# Altium PCB SUDA_V3S.PcbDoc (part 2 of 2)
Units mil, origin at the board's own origin, x right, y up, seen from the top; angles counter-clockwise.
Board outline 3937 x 1968.5 mil, 4 copper layers (TOP, GND02, PWR03, BOT), stack 61.4 mil thick; 147 components, 116 nets, 560 pads, 161 vias.
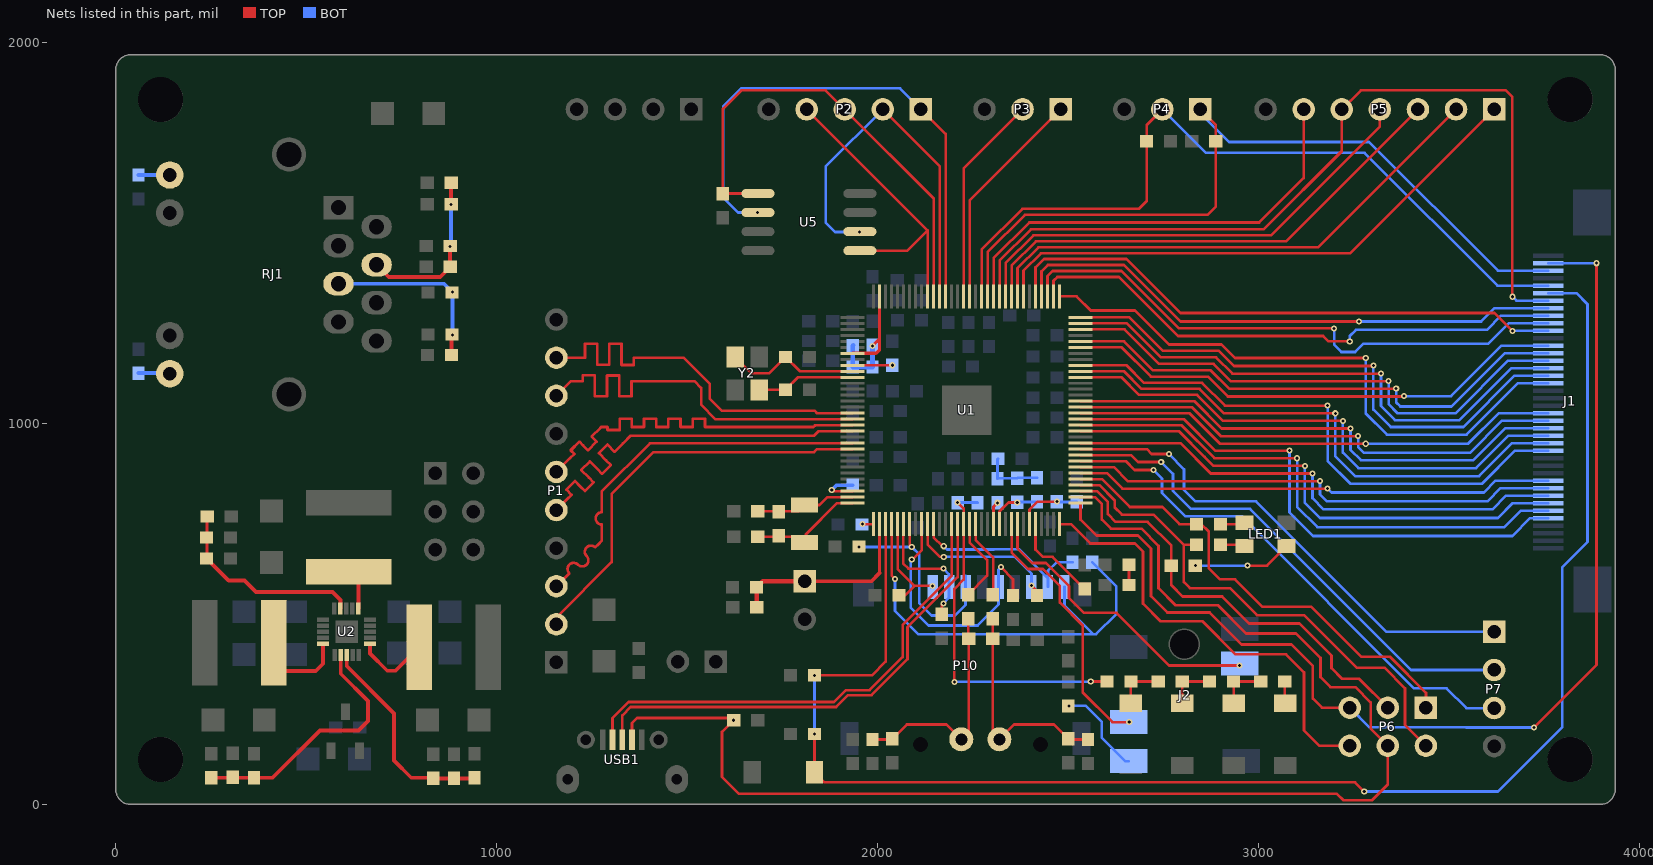
[diagram p4: the nets of this part, all layers, seen from the top]

## Via types
v1: diameter 16, hole 8, TOP to BOT, 161 vias

## Nets (pads, with @x,y where several pads share a name; then routed paths per layer and width w, separated by ;. In a path a pad name is that pad's centre, name@x,y a point inside that pad or via, vN(x,y) a via of type N, cw(c..) or ccw(c..) an arc to the next point about the centre after c; other vN are vias at no path point) (continued)
HP_COMFB: R44.2 U1.124 | length 238.6
  TOP w7: U1.124@2415.1,735.79 2415.1,668.9 2434,650 2459.5,650 R44.2@2544,565.5
HP_L: J2.2 U1.121 | length 792.2
  TOP w7: U1.121@2367.86,735.79 2367.86,672.14 2406,634 2442,634 2503,573 2503,542 2542,503 2628,503 2766,365 v1(2951,365)
HP_R: J2.3 U1.120 | length 696.4
  TOP w7: U1.120@2352.11,735.79 2352.11,660.89 2395,618 2434,618 2479,573 2479,530 2539,470 2539,294 2617,216 v1(2661,216)
I2C0_SCL: J1.38 P4.1 R11.1 U1.45 | length 2132.1
  TOP w7: U1.45@2289.12,1334.21 2289.12,1450.12 2387,1548 2867,1548 2888,1569 2888,1785 P4.1@2848,1825
  BOT w7: P4.1@2848.5,1824.5 P4.1@2848,1825 2848,1814.28 2923,1739.28 3290.72,1739.28 3628.65,1401.35 J1.38@3761,1401.35
I2C0_SDA: J1.36 P4.2 R10.1 U1.46 | length 2073.3
  TOP w7: U1.46@2273.37,1334.21 2273.37,1456.64 2380.48,1563.75 2686,1563.75 2707,1584.75 2707,1784 P4.2@2748,1825 P4.2@2749,1824
  BOT w7: P4.2@2747.5,1824.5 P4.2@2748,1825 2862,1711 3279,1711 3628.03,1361.97 J1.36@3761,1361.97
LCD_CLK: J1.30 U1.37 | length 1513.7
  TOP w7: U1.37@2415.1,1334.21 2415.1,1410.1 2437.25,1432.25 2653.57,1432.25 2795.41,1290.41 3619.59,1290.41 v1(3667,1243) v1@3671,1243
  BOT w7: v1(3667,1243) 3667.83,1243.83 J1.30@3761,1243.83
LCD_D2: J1.23 U1.33 | length 1575.2
  TOP w7: U1.33@2478.09,1334.21 2522.79,1334.21 2560,1297 2676,1297 2765.25,1207.75 2903.1,1207.75 2938.85,1172 v1(3282,1172)
  BOT w7: v1@3282,1173 v1(3282,1172) 3282,1027 3338,971 3546.42,971 3681.42,1106 J1.23@3761,1106
LCD_D3: J1.24 U1.32 | length 1472.1
  TOP w7: U1.32@2533.21,1279.09 2661.44,1279.09 2749.73,1190.8 2896.08,1190.8 2935.88,1151 3301,1151 v1(3302,1152)
  BOT w7: v1@3302,1153 v1(3302,1152) 3302,1037 3348,991 3538.14,991 3672.83,1125.69 J1.24@3761,1125.69
LCD_D4: J1.25 U1.31 | length 1441.8
  TOP w7: U1.31@2533.21,1263.35 2654.92,1263.35 2744.42,1173.85 2889.06,1173.85 2931.91,1131 3321,1131 v1(3322,1132)
  BOT w7: v1@3322,1133 v1(3322,1132) 3322,1046 3359,1009 3527.85,1009 3664.23,1145.38 J1.25@3761,1145.38
LCD_D5: J1.26 U1.30 | length 1413.9
  TOP w7: U1.30@2533.21,1247.6 2648.4,1247.6 2739.1,1156.9 2882.04,1156.9 2927.94,1111 3341,1111 v1(3342,1112)
  BOT w7: v1@3342,1113 v1(3342,1112) 3342,1051 3366,1027 3517.57,1027 3655.64,1165.07 J1.26@3761,1165.07
LCD_D6: J1.27 U1.28 | length 1379.5
  TOP w7: U1.28@2533.21,1216.1 2647.17,1216.1 2723.32,1139.95 2875.02,1139.95 2923.97,1091 3361,1091 v1(3362,1092)
  BOT w7: v1@3362,1093 v1(3362,1092) 3362,1056 3373,1045 3507.28,1045 3647.04,1184.76 J1.27@3761,1184.76
LCD_D7: J1.28 U1.27 | length 1337.6
  TOP w7: U1.27@2533.21,1200.35 2640.65,1200.35 2718,1123 2868,1123 2920,1071 3381,1071 v1(3382,1072)
  BOT w7: v1@3382,1073 v1(3382,1072) 3506,1072 3638.45,1204.45 J1.28@3761,1204.45
LCD_D10: J1.14 U1.24 | length 1477.5
  TOP w7: U1.24@2533.21,1153.11 2653.44,1153.11 2699.55,1107 2851.95,1107 2911.95,1047 v1(3182,1047)
  BOT w7: v1(3182,1047) 3182,902 3242,842 3587.42,842 3674.21,928.79 J1.14@3761,928.79
LCD_D11: J1.15 U1.23 | length 1448.1
  TOP w7: U1.23@2533.21,1137.36 2646.91,1137.36 2693.02,1091.25 2845.43,1091.25 2909.68,1027 v1(3202,1027) v1@3199,1030
  BOT w7: v1(3202,1027) 3202,914 3254,862 3579.14,862 3665.62,948.48 J1.15@3761,948.48
LCD_D12: J1.16 U1.22 | length 1411.9
  TOP w7: U1.22@2533.21,1121.61 2640.39,1121.61 2686.5,1075.5 2838.91,1075.5 2907.41,1007 v1(3222,1007) v1@3221,1008
  BOT w7: v1(3222,1007) 3222,924 3263,883 3571.85,883 3657.02,968.17 J1.16@3761,968.17
LCD_D13: J1.17 U1.18 | length 1359.4
  TOP w7: U1.18@2533.21,1058.62 2831.91,1058.62 2903.53,987 v1(3242,987)
  BOT w7: v1(3242,987) 3242,931 3269,904 3564.57,904 3648.43,987.86 J1.17@3761,987.86
LCD_D14: J1.18 U1.17 | length 1329.5
  TOP w7: U1.17@2533.21,1042.87 2825.39,1042.87 2901.26,967 v1(3262,967)
  BOT w7: v1(3262,967) 3262,938 3277,923 3555.28,923 3639.83,1007.55 J1.18@3761,1007.55
LCD_D15: J1.19 U1.16 | length 1294.2
  TOP w7: U1.16@2533.21,1027.13 2818.87,1027.13 2899,947 v1(3282,947)
  BOT w7: v1(3282,947) 3551,947 3631.24,1027.24 J1.19@3761,1027.24
LCD_D18: J1.5 U1.15 | length 1468.9
  TOP w7: U1.15@2533.21,1011.38 2804.21,1011.38 2886.59,929 v1(3082,929)
  BOT w7: v1(3082,929) 3082,767 3144,705 3667,705 3713.58,751.58 J1.5@3761,751.58
LCD_D19: J1.6 U1.14 | length 1431.6
  TOP w7: U1.14@2533.21,995.63 2797.69,995.63 2797.69,995.58 2884.27,909 v1(3102,909)
  BOT w7: v1(3102,909) 3102,781 3155,728 3646,728 3689.27,771.27 J1.6@3761,771.27
LCD_D20: J1.7 U1.13 | length 1395.2
  TOP w7: U1.13@2533.21,979.88 2791.16,979.88 2858.54,912.5 2858.54,912.4 2881.94,889 v1(3122,889)
  BOT w7: v1(3122,889) 3122,792 3162,752 3629,752 3667.96,790.96 J1.7@3761,790.96
LCD_D21: J1.8 U1.11 | length 1352.5
  TOP w7: U1.11@2533.21,948.39 2795.61,948.39 2875,869 v1(3142,869)
  BOT w7: v1(3142,869) 3142,804 3171,775 3615,775 3650.65,810.65 J1.8@3761,810.65
LCD_D22: J1.9 U1.7 | length 1299.5
  TOP w7: U1.7@2533.21,885.39 2620.61,885.39 2657,849 v1(3162,849)
  BOT w7: v1(3162,849) 3162,814 3180,796 3602,796 3636.34,830.34 J1.9@3761,830.34
LCD_D23: J1.10 U1.6 | length 1261.6
  TOP w7: U1.6@2533.21,869.65 2602.35,869.65 2643,829 v1(3182,829)
  BOT w7: v1(3182,829) 3192,819 3592,819 3623.03,850.03 J1.10@3761,850.03
LCD_DE: J1.33 U1.36 | length 1479.1
  TOP w7: U1.36@2430.85,1334.21 2430.85,1399.85 2447.5,1416.5 2647.05,1416.5 2795.55,1268 v1(3264,1268)
  BOT w7: v1(3264,1268) 3583.9,1268 3584.45,1267.45 3619.9,1302.9 J1.33@3761,1302.9
LCD_HSYNC: J1.31 U1.35 | length 1517.8
  TOP w7: U1.35@2446.6,1334.21 2446.6,1387.6 2459.75,1400.75 2640.52,1400.75 2791.27,1250 v1(3199,1250)
  BOT w7: v1(3199,1250) 3199,1207 3218,1188 3254,1188 3276,1210 3604,1210 3657.52,1263.52 J1.31@3761,1263.52
LCD_VSYNC: J1.32 U1.34 | length 1449.6
  TOP w7: U1.34@2462.35,1334.21 2462.35,1375 2472.35,1385 2634,1385 2789,1230 3170,1230 3184,1216 v1(3240,1216)
  BOT w7: v1(3240,1216) 3240,1230 3256.11,1246.11 3600.11,1246.11 3637.21,1283.21 J1.32@3761,1283.21
LRADC0: C14.1 R12.1 R13.2 U1.112 | length 941.4
  TOP w7: v1(2202,322) 2202,566 2226.13,590.13 U1.112@2226.13,735.79 2226.13,776.87 v1(2210.13,792.87) ; v1(2560,323) R13.2@2602.5,323
  BOT w7: v1(2202,322) 2559,322 v1(2560,323) ; C14.1@2210.5,792.5 v1(2210.13,792.87) 2262.13,792.87 R12.1@2262.5,792.5
MCSI_CLK_N: P1.2 U1.87 | length 1083.6
  TOP w7: P1.2@1157,473 1157,491 1302,636 1302,815 1412,925 1833.36,925 1841,932.64 U1.87@1934.79,932.64
MCSI_CLK_P: P1.3 U1.86 | length 1081.1
  TOP w7: P1.3@1157,573 1191,607 cw(c1202.31,618.31) 1213.63,629.63 ccw(c1224.94,640.94) 1236.25,652.25 cw(c1247.57,663.57) 1258.88,674.88 1268.5,684.5 1276,692 1276,717 1276,735 cw(c1276,751) 1276,767 1276,799 1276,821.53 1402.47,948 1830,948 ; 1831,948.39 U1.86@1934.79,948.39
MCSI_D0_N: P1.8 U1.82 | length 1082.7
  TOP w7: P1.8@1157,1073 1195.5,1111.5 1210,1111.5 1226,1111.5 1226,1127.22 1258,1127.22 1258,1111.5 1258,1071.53 1290,1071.53 1290,1111.5 1290,1126.43 1322,1126.43 1322,1111.5 1322,1071.53 1354,1071.53 1354,1111.5 1372,1111.5 1519.5,1111.5 1537,1094 1537,1050 1575,1011 1825,1011 ; 1824.88,1011.38 U1.82@1934.79,1011.38
MCSI_D0_P: P1.9 U1.81 | length 1083
  TOP w7: P1.9@1157,1173 1216,1173 1232,1173 1232,1209.68 1264,1209.68 1264,1173 1264,1154.52 1296,1154.52 1296,1173 1296,1209.68 1328,1209.68 1328,1173 1328,1153.72 1360,1153.72 1360,1173 1389,1173 1490.53,1173 1560,1103.53 1560,1065 1591,1034 1834.12,1034 1841,1027.12 U1.81@1934.79,1027.13
MCSI_D1_N: P1.5 U1.84 | length 1083
  TOP w7: P1.5@1157,773 1185.5,801.5 1196.81,812.81 1183.16,826.46 1205.79,849.09 1219.44,835.44 1231.96,822.92 1254.59,845.55 1242.07,858.07 1222.05,878.09 1244.67,900.72 1264.7,880.7 1277.22,868.17 1299.85,890.8 1287.32,903.32 1268.43,922.22 1291.06,944.85 1309.95,925.95 1332,948 1352,968 1833.12,968 1845,979.88 U1.84@1934.79,979.88
MCSI_D1_P: P1.6 U1.83 | length 1083
  TOP w7: P1.6@1157,873 1193,909 1204.31,920.31 1194.66,929.97 1217.28,952.6 1226.94,942.94 1240.1,929.78 1262.73,952.41 1249.57,965.57 1272.2,988.2 1275,991 1291,991 1291,983.21 1323,983.21 1323,991 1323,1012.79 1355,1012.79 1355,991 1387,991 1387,1012.79 1419,1012.79 1419,991 1451,991 1451,1012.79 1483,1012.79 1483,991 1515,991 1515,1012.79 1547,1012.79 1547,991 1552,991 1832,991 1836.63,995.63 U1.83@1934.79,995.63
MIC_N: C65.2 U1.114 | length 204.7
  TOP w7: U1.114@2257.62,735.79 2257.62,694.38 2303.75,648.25 2303.75,551.25 C65.2@2303,550.5
MIC_P: C63.2 U1.113 | length 225.1
  TOP w7: C63.2@2238,550.5 2288,600.5 2288,641.73 2241.87,687.86 U1.113@2241.87,735.79
NetC1_1: C1.1 C2.1 U1.123 | length 171
  TOP w7: U1.123@2399.35,735.79 2399.35,774.35 2420,795 v1(2471,795)
  BOT w7: C2.1@2471,794 2522.5,794 C1.1@2523,794.5
NetC3_2: C3.2 U1.97 | length 29.1
  TOP w7: v1(1960.79,735.79) U1.97@1989.91,735.79
NetC5_2: C5.2 C6.2 R2.1 R3.2 | length 158
  BOT w7: R3.2@2316.5,908 2315,906.5 C6.2@2315,855.5 2316,856.5 C5.2@2367,856.5 2368,857.5 R2.1@2419,857.5
NetC15_2: C15.2 L1.1 R22.2 R23.2 RJ1.4 | length 439.1
  TOP w10: RJ1.4@684.91,1417 716.91,1385 852,1385 878,1411 v1(878,1465) ; v1(880,1575) 880,1631.5 L1.1@880.5,1632
  BOT w10: v1(878,1465) 880,1467 v1(880,1575)
NetC16_2: C16.2 R24.2 R25.2 RJ1.5 | length 474.2
  TOP w10: C16.2@881.5,1180 881.5,1229.5 v1(884,1232)
  BOT w10: RJ1.5@584.91,1367 862,1367 v1(884,1345) v1(884,1232)
NetC20_2: C20.2 R26.1 R27.1 U2.14 | length 530.4
  TOP w8: R27.1@238.5,646 240.08,647.57 C20.2@240.08,756
  TOP w10: R27.1@238.5,646 296.5,588 338,588 368,558 569,558 589.84,537.16 U2.14@589.84,513.85
NetC24_2: C24.2 R28.1 R29.1 U2.3 | length 559.7
  TOP w10: U2.3@606.42,392.15 606.42,363.58 731,239 731,115 776.07,69.93 832.57,69.93 R29.1@834,68.5 940.43,68.5 C24.2@942,70.08
NetC28_2: C28.2 R30.1 R31.1 U2.2 | length 675.4
  TOP w10: R30.1@251,69.93 R31.1@363,69.93 411.93,69.93 536,194 637,194 662,219 662,272 590.67,343.33 U2.2@590.67,392.15
NetC62_2: C62.2 C63.1 C64.2 R40.2 U4.2 | length 590.7
  TOP w7: R40.2@1987,170.5 2037.43,170.5 C62.2@2039,172.07 2076.93,210 2181,210 U4.2@2220,171 2239.5,190.5 C64.2@2239.5,435 2238,436.5 C63.1@2238,487.5
NetC64_1: C64.1 C65.1 C67.2 R42.2 U4.1 | length 589.5
  TOP w7: C65.1@2303,487.5 2302.5,487 C64.1@2302.5,435 2302.5,188.5 U4.1@2320,171 2359,210 2463.07,210 C67.2@2501,172.07 2502.57,170.5 R42.2@2553,170.5
NetC68_1: C68.1 R43.2 | length 53
  TOP w7: R43.2@2660.5,576 C68.1@2660.5,629
NetJ2_1: J2.1 R41.1 | length 241.8
  BOT w7: v1(2503,259) 2547,259 2589,217 2589,175 2650.36,113.64 J2.1@2660,113.64
NetL2_2: L2.2 U2.11 | length 108
  TOP w10: L2.2@612,611.45 637.08,586.37 U2.11@637.08,513.85
NetL3_2: L3.2 U2.6 | length 198.4
  TOP w10: U2.6@667.44,421.42 667.44,396.56 713,351 734.45,351 L3.2@796.45,413
NetL4_2: L4.2 U2.20 | length 246.4
  TOP w10: L4.2@414.55,424 414.55,379.45 444,350 525,350 544.56,369.56 U2.20@544.56,421.08
NetLED1_1: LED1.1 R17.1 | length 64.8
  TOP w7: R17.1@2900.5,736 2960.37,736 LED1.1@2963.88,739.51
NetLED1_3: LED1.3 R19.1 | length 260.9
  TOP w7: v1(2972,627) 3022.63,627 LED1.3@3074.12,678.49
  BOT w7: v1(2834.5,627) v1(2972,627)
NetLED1_4: LED1.4 R18.1 | length 64.6
  TOP w7: R18.1@2900.5,681.5 2960.87,681.5 LED1.4@2963.88,678.49
NetR4_1: R4.1 U1.94 | length 116.1
  TOP w7: v1(1880,826) 1883.6,822.4 U1.94@1934.79,822.4
  BOT w10: v1(1880,826) 1892.15,838.15 R4.1@1934.79,838.15
NetR7_1: R7.1 U1.73 | length 104.1
  TOP w7: U1.73@1934.79,1153.11 v1(2038.89,1153.11)
NetR13_1: R13.1 R14.2 S2.2 | length 129.2
  TOP w7: S2.2@2665,265.69 2665,322.5 R13.1@2665.5,323 R14.2@2737.17,323
NetR14_1: R14.1 R15.2 S3.2 | length 129
  TOP w7: S3.2@2800,265.69 2800,322.84 R14.1@2800.16,323 R15.2@2871.84,323
NetR15_1: R15.1 R16.2 S4.2 | length 129.1
  TOP w7: S4.2@2935,265.69 2935,322.83 R15.1@2934.83,323 R16.2@3006.5,323
NetR16_1: R16.1 S5.2 | length 57.5
  TOP w7: R16.1@3069.5,323 3069.5,266.2 S5.2@3070,265.69
NetR20_1: R20.1 RJ1.9 | length 82.1
  BOT w10: R20.1@60,1652.5 141.87,1652.5 RJ1.9@142,1652.63
NetR21_2: R21.2 RJ1.12 | length 82.6
  BOT w10: R21.2@60,1132.5 140.5,1132.5 RJ1.12@142,1131
NRST: C7.1 J1.35 R5.1 S1.2 U1.99 | length 4124.4
  TOP w7: v1(1834.5,185) 1834.69,184.8 S1.2@1834.69,84 1860.69,58 3254,58 v1(3278,34) ; R5.1@1834.5,339 v1(1834.4,339.1) 1985.1,339.1 2021.4,375.4 U1.99@2021.4,735.79
  BOT w7: v1(1834.4,339.1) 1834.5,339 v1(1834.5,185) ; v1(3278,34) 3629,34 3798,203 3798,623 3864,689 3864,1313.28 3835,1342.28 J1.35@3761,1342.28
PB0: P5.1 U1.39 | length 1479.2
  TOP w7: U1.39@2383.61,1334.21 2383.61,1401.61 2429,1447 3241,1447 P5.1@3619,1825 P5.1@3619.74,1824.26
PB1: P5.2 U1.40 | length 1397.7
  TOP w7: U1.40@2367.86,1334.21 2367.86,1408.13 2422.48,1462.75 3156.75,1462.75 P5.2@3519,1825
PB2: P5.3 U1.41 | length 1317.3
  TOP w7: U1.41@2352.11,1334.21 2352.11,1414.66 2415.95,1478.5 3072.5,1478.5 P5.3@3419,1825
PB3: P5.4 U1.42 | length 1263.2
  TOP w7: U1.42@2336.36,1334.21 2336.36,1421.18 2409.43,1494.25 3033.25,1494.25 3319,1780 P5.4@3319,1825
PB4: J1.34 P5.5 U1.43 | length 2320
  TOP w7: U1.43@2320.61,1334.21 2320.61,1427.71 2402.9,1510 3014,1510 3219,1715 P5.5@3219,1825 3269,1875 3650,1875 3667,1858 v1(3667,1333)
  BOT w7: v1(3667,1333) 3677.41,1322.59 J1.34@3761,1322.59
PB5: P5.6 U1.44 | length 1181.6
  TOP w7: U1.44@2304.87,1334.21 2304.87,1434.23 2398.65,1528 3002.26,1528 3119,1644.74 P5.6@3119,1825
PE20: P7.1 U1.10 | length 1316.1
  TOP w7: U1.10@2533.21,932.64 2707.36,932.64 2720,920 v1(2765,920)
  BOT w7: v1(2765,920) 2804.98,880.02 2804.98,826.02 2835,796 2994,796 3337,453 P7.1@3619,453
PE21: P7.2 U1.9 | length 1345.7
  TOP w7: U1.9@2533.21,916.89 2666.11,916.89 2684,899 v1(2745,899)
  BOT w7: v1(2745,899) 2775.99,868.01 2775.99,823.01 2823,776 2978,776 3401,353 P7.2@3619,353
PE22: P7.3 U1.8 | length 1376.5
  TOP w7: U1.8@2533.21,901.14 2651.86,901.14 2675,878 v1(2725,878)
  BOT w7: v1(2725,878) 2747,856 2747,818 2808,757 2957,757 3409,305 3494,305 3546,253 P7.3@3619,253
PG0: P6.1 R17.2 U1.5 | length 1234.4
  TOP w7: U1.5@2533.21,853.9 2589.65,853.9 2662.55,781 2748,781 2793,736 R17.2@2837.5,736 2850,736 2870,716 2870,620 2899,591 2939,591 3011,519 3139,519 3270,388 3345,388 3440,293 P6.1@3440,254
PG1: P6.2 R18.2 U1.4 | length 1347.5
  TOP w7: U1.4@2533.21,838.15 2583.12,838.15 2623,798.27 2623,780 2642,761 2725,761 2804.5,681.5 ; R18.2@2837.5,681.5 2804.5,681.5 ; P6.2@3440,154 3385,209 3385,305 3331,359 3258,359 3120,497 2996,497 2925,568 2820,568 2804.5,583.5 2804.5,681.5
PG2: P6.3 R19.2 U1.3 | length 1141.2
  TOP w7: U1.3@2533.21,822.4 2576.6,822.4 2605,794 2605,762 2625,742 2709,742 2771.5,679.5 R19.2@2771.5,627 2771.5,575.5 2801,546 2905,546 2976,475 3108,475 3192,391 3192,358 3220,330 3264,330 P6.3@3340,254
PG3: P6.4 R32.1 U1.2 USB1.4 | length 3608.3
  TOP w7: USB1.4@1355.5,170 1355.5,213.5 1369,227 1616.5,227 v1(1622.5,221) 1592,190.5 1592,72 1636,28 3206,28 3223,11 3298,11 3340,53 P6.4@3340,154 3295,199 3295,268 3255,308 3189,308 3163,334 3163,385 3099,449 2968,449 2894,523 2783,523 2738,568 2738,679 2693,724 2613,724 2589,748 2589,789 2571.35,806.65 U1.2@2533.21,806.65
PG4: J1.39 P6.5 U1.1 | length 2997.4
  TOP w7: U1.1@2533.21,790.91 2533.21,747.79 2575,706 2684,706 2718,672 2718,547 2761,504 2872,504 2956,420 3087,420 3143,364 3143,278 3167,254 P6.5@3240,254 ; v1(3724,202.04) 3887.96,366 v1(3887.96,1421.04)
  BOT w7: P6.5@3240,254 3291,203 3545,203 3545.96,202.04 v1(3724,202.04) ; J1.39@3761,1421.04 v1(3887.96,1421.04)
PG5: P6.6 U1.128 | length 1172.8
  TOP w7: U1.128@2478.09,735.79 2508.21,735.79 2559,685 2676,685 2697,664 2697,527 2743,481 2853,481 2940,394 3073,394 3120,347 3120,194 3160,154 P6.6@3240,154
SDC0_CLK: P10.5 R36.1 U1.105 | length 693.4
  TOP w7: v1(2090,643) 2091.89,643 2115.89,667 U1.105@2115.89,735.79 ; v1(2324,623) 2356,591 R36.1@2356,548.5
  BOT w7: v1(2090,643) 2087,640 2087,517 2134,470 2263,470 2317.76,524.76 P10.5@2317.76,571.39 2317.76,616.76 v1(2324,623)
SDC0_CMD: P10.3 R37.1 U1.103 | length 579.2
  TOP w7: U1.103@2084.39,735.79 2084.39,681.61 v1(2090,676)
  BOT w7: v1(1952,676) v1(2090,676) 2110,656 2110,528 2142,496 2203,496 2231.15,524.15 P10.3@2231.15,571.39 P10.3@2231.15,600.85
SDC0_D0: P10.7 R35.1 U1.106 | length 421.7
  TOP w7: U1.106@2131.64,735.79 2131.64,682.36 2164,650 v1(2174,650) ; v1(2404,575) 2419,560 R35.1@2419,548.5
  BOT w7: v1(2174,650) 2360.76,650 2404.38,606.38 P10.7@2404.38,575
SDC0_D1: P10.8 R34.1 U1.107 | length 498.7
  TOP w7: U1.107@2147.39,735.79 2147.39,700.8 2170.19,678 v1(2174,678) ; v1@2171.19,677 v1@2174,677
  BOT w7: v1(2174,678) 2182.5,669.5 2305.83,669.5 2306.33,670 2371,670 P10.8@2447.69,593.32 ; P10.8@2447.69,571.39 P10.8@2447.69,593.32 ; R34.1@2512,635.5 2469.5,635.5 2447.69,613.68 P10.8@2447.69,593.32
SDC0_D2: P10.1 R39.1 U1.101 | length 281.9
  TOP w7: U1.101@2052.5,735.39 U1.101@2052.9,735.79 2052.9,618.1 2097,574 ; R39.1@2056.5,549 2072,549 2097,574 ; v1(2144,574) 2097,574
  BOT w7: P10.1@2142.15,569 P10.1@2144.54,571.39
SDC0_D3: P10.2 R38.1 U1.102 | length 348.3
  TOP w7: U1.102@2068.65,735.79 2067.5,734.64 2067.5,632.5 2081,619 v1(2173,619) ; R38.1@2169,499.5 2169,524 v1(2173,528)
  BOT w7: v1(2173,528) 2187.84,542.84 P10.2@2187.84,571.39 2187.84,604.16 v1(2173,619)
SDC0_DET: P10.9 R33.1 U1.100 | length 1176.9
  TOP w7: U1.100@2037.15,735.79 2037.15,600.85 v1(2046,592)
  BOT w7: v1(2046,592) 2046,508 2107,447 2566,447 ; P10.9@2490.99,571.6 P10.9@2490.99,571.39 2490.99,522.01 2566,447 ; R33.1@2564,635.5 2627,572.5 2627,500 2574,447 2566,447
SPI0_CS: P2.3 R45.1 U1.54 U5.1 | length 1263.3
  TOP w7: U5.1@1686.14,1604 1594.5,1604 R45.1@1594,1603.5 1594,1826 1643,1875 1864,1875 P2.3@1914,1825 2147.39,1591.61 U1.54@2147.39,1334.21
SPI0_MISO: P2.1 U1.52 U5.2 | length 1425.1
  TOP w7: P2.1@2114,1825 2178.88,1760.12 U1.52@2178.88,1334.21
  BOT w7: v1(1685,1554) 1634,1554 1595,1593 1595,1833 1642,1880 2059,1880 P2.1@2114,1825
SPI0_MOSI: P2.4 U1.55 U5.5 | length 822.2
  TOP w7: P2.4@1814,1825 2131.64,1507.36 ; U5.5@1953.86,1454 2078.28,1454 2131.64,1507.36 ; U1.55@2131.64,1334.21 2131.64,1507.36
SPI0_SCLK: P2.2 U1.53 U5.6 | length 1011
  TOP w7: P2.2@2014,1825 2163.13,1675.87 U1.53@2163.13,1334.21
  BOT w7: v1(1953,1503) 1889,1503 1864,1528 1864,1675 P2.2@2014,1825
SVREF: C10.2 C11.1 R8.2 R9.1 U1.63 U1.71 | length 406.5
  TOP w8: U1.71@1934.79,1184.61 1996.61,1184.61 2005.65,1193.65 2005.65,1222.65 ; v1(1987,1204) 2005.65,1222.65 ; U1.63@2005.65,1334.21 2005.65,1222.65
  BOT w12: R8.2@1936,1205.5 R8.2@1935,1204.5 R9.1@1935,1148.5 C11.1@1987,1148.5 v1(1987,1204)
UART0_RX: P3.2 U1.49 | length 554.9
  TOP w7: U1.49@2226.13,1334.21 2226.13,1670.13 P3.2@2381,1825
UART0_TX: P3.1 U1.48 | length 589.8
  TOP w7: U1.48@2241.87,1334.21 2241.87,1585.87 P3.1@2481,1825
USB_N: U1.110 USB1.2 | length 1286.8
  TOP w7: USB1.2@1304.5,170 1304.5,226.88 1346.62,269 1886,269 1917,300 1979,300 2066,387 2066,471.38 2194.63,600.01 U1.110@2194.63,735.79
USB_P: U1.111 USB1.3 | length 1282.7
  TOP w7: USB1.3@1330,170 1330,234 1352,256 1891.38,256 1922.38,287 1984.38,287 2079,381.62 2079,466 2210.38,597.38 U1.111@2210.38,735.79
VCC-RTC: C4.1 P9.1 R1.1 U1.98 | length 519.1
  TOP w8: 2005.65,607.65 U1.98@2005.65,735.79
  TOP w10: P9.1@1809,586 1984,586 2005.65,607.65
  TOP w12: C4.1@1683.07,518 1683.07,569.43 R1.1@1682.5,570 1698.5,586 P9.1@1809,586
VRA1: C6.1 U1.117 | length 60.4
  TOP w8: U1.117@2304.87,735.79 2304.87,781.87 v1(2315,792)
VRA2: C5.1 R2.2 U1.118 | length 142.5
  TOP w8: U1.118@2320.61,735.79 2320.61,769.61 2344,793 v1(2367,793)
  BOT w8: v1(2367,793) 2368.5,794.5 R2.2@2419,794.5
X24MIN: C12.1 U1.75 Y2.1 | length 258.9
  TOP w7: Y2.1@1689.5,1088.69 1689.8,1089 C12.1@1758.5,1089 1791.11,1121.61 U1.75@1934.79,1121.61
X24MOUT: C13.1 U1.74 Y2.3 | length 359.6
  TOP w7: Y2.3@1626.5,1175.31 1669.81,1132 1715.5,1132 C13.1@1758.5,1175 1796.14,1137.36 U1.74@1934.79,1137.36
X32KIN: C9.1 R6.1 U1.96 Y1.1 | length 308.9
  TOP w7: C9.1@1685.5,703 1793.79,703 Y1.1@1809,687.79 1812.5,691.29 1812.5,709.41 1894,790.91 U1.96@1934.79,790.91
X32KOUT: C8.1 R6.2 U1.95 Y1.2 | length 264.5
  TOP w7: C8.1@1685.5,770 1792.79,770 Y1.2@1809,786.21 1847.93,786.21 1868.38,806.65 U1.95@1934.79,806.65
pads on no net: J1.37 J1.40 J2.0 J2.5 J2.6 P10. RJ1.7

## Polygon pours and split planes (outlines as drawn)
1V2 on PWR03 (split plane): 2432.84,1259.92 2432.84,1207.08 2433.15,1205.52 2434.04,1204.19 2435.36,1203.31 2436.92,1203 2515.92,1203 2515.92,1075 2515.92,1025.16 2440.08,1025.16 2438.52,1024.85 2437.19,1023.96 2436.31,1022.64 2436,1021.08 2436,882.08 2436.31,880.52 2437.19,879.19 2438.52,878.31 2440.08,878 2488.92,878 2488.92,750 2488.92,651.08 2421.08,651.08 2421.08,736 2420.77,737.56 2419.88,738.88 2418.56,739.77 2417,740.08 2345.08,740.08 2345.08,743 2345.08,1181 2344.77,1182.56 2343.88,1183.88 2342.56,1184.77 2341,1185.08 2131,1185.08 2129.44,1184.77 2128.12,1183.88 2127.23,1182.56 2126.92,1181 2126.92,878.08 1759,878.08 1757.44,877.77 1756.78,877.33 1756.12,876.88 1752.35,873.12 1503.31,624.08 1103.92,624.08 1102.36,623.77 1101.04,622.88 1100.15,621.56 1099.84,620 1099.84,561.08 756.08,561.08 756.08,607.08 756.08,718.92 1419,718.92 1420.56,719.23 1421.88,720.12 1806.69,1104.92 1896.92,1104.92 1896.92,1061 1897.23,1059.44 1898.12,1058.12 1899.44,1057.23 1901,1056.92 2073.08,1056.92 2074.64,1057.23 2075.96,1058.12 2076.85,1059.44 2077.16,1061 2077.08,1061.39 2077.08,1244 2077.08,1291 2076.77,1292.56 2075.88,1293.88 2074.56,1294.77 2073,1295.08 1858.08,1295.08 1858.08,1412.92 2432.84,1412.92
5V on PWR03 (split plane): 1500.92,493 1501.23,491.44 1502.12,490.12 1503.44,489.23 1505,488.92 1637.92,488.92 1637.92,282.52 436.16,282.52 436.16,552.92 1103.92,552.92 1105.48,553.23 1106.81,554.12 1107.69,555.44 1108,557 1108,615.92 1500.92,615.92
3V0 on PWR03 (split plane): 2336.92,743 2336.92,651.08 2218,651.08 2216.44,650.77 2215.12,649.88 2214.23,648.56 2213.92,647 2213.92,437.08 2061,437.08 2059.44,436.77 2058.12,435.88 2057.23,434.56 2056.92,433 2056.92,196 2056.92,89 2056.92,40.09 601,40.09 601,90 601,134.92 600.69,136.48 600.37,136.96 600.69,137.44 601,139 601,195.92 1770,195.92 1771.56,196.23 1772.88,197.12 1773.77,198.44 1774.08,200 1774.08,429.92 1921,429.92 1922.56,430.23 1923.88,431.12 1924.77,432.44 1925.08,434 1925.08,708.92 2181,708.92 2182.56,709.23 2183.88,710.12 2184.77,711.44 2185.08,713 2185.08,728 2185.08,767 2185.08,952 2184.77,953.56 2183.88,954.88 2182.56,955.77 2181,956.08 2135.08,956.08 2135.08,1176.92 2336.92,1176.92
1V8 on PWR03 (split plane): 2068.92,1244 2068.92,1065.08 1905.08,1065.08 1905.08,1109 1904.77,1110.56 1903.88,1111.88 1902.56,1112.77 1901,1113.08 1805,1113.08 1803.44,1112.77 1802.12,1111.88 1417.31,727.08 752,727.08 750.44,726.77 749.12,725.88 748.23,724.56 747.92,723 747.92,607.08 747.92,562.59 747.23,561.56 747.14,561.08 436.08,561.08 436.08,819.92 1211,819.92 1212.56,820.23 1213.88,821.12 1214.77,822.44 1215.08,824 1215.08,915.31 1262.88,963.12 1262.96,963.23 1263.08,963.31 1586.69,1286.92 2068.92,1286.92
3V3 on PWR03 (split plane): 151 vertices, not listed, extent 40.09,40.09 3896.91,1928.42
EARTH on GND02 (split plane): 751.92,1010.08 27.08,1010.08 27.08,1943.92 751.92,1943.92
GND on GND02 (split plane): 3901.41,1948.12 3905.04,1947.02 3908.39,1945.23 3911.32,1942.83 3913.73,1939.89 3915.52,1936.54 3916.62,1932.91 3916.95,1929.59 3916.9,1929.13 3916.9,39.37 3916.95,38.91 3916.62,35.59 3915.52,31.96 3913.73,28.61 3911.32,25.68 3908.39,23.27 3905.04,21.48 3901.41,20.38 3898.09,20.05 3897.63,20.1 39.37,20.1 38.91,20.05 35.59,20.38 31.96,21.48 28.61,23.27 25.68,25.68 23.27,28.61 21.48,31.96 20.38,35.59 20.05,38.91 20.1,39.37 20.1,1001.92 756,1001.92 757.56,1002.23 758.88,1003.12 759.77,1004.44 760.08,1006 760.08,1948 760,1948.41 3897.63,1948.41 3898.09,1948.45

## Keep-outs
Keep-Out Layer:
  the board outline again, w5

## Other copper
TOP:
  rectangle: 3085,1337 3442,1402
  text "TOP" at 270,2273.45 h60
BOT:
  rectangle net GND: 577,424 635,482
  rectangle net GND: 2168,970 2299,1100
  text "BOTTOM" at 1704,2273.45 h60
GND02 (plane layer: these items are gaps in the copper):
  lines w8: 20,1006 756,1006 756,1948 23,1948 23,1009
  text "GND02" at 605,2273.45 h60
PWR03 (plane layer: these items are gaps in the copper):
  lines w8: 432,557 432,824 763,824 1118,824 1211,824 1211,917 1260,966 ; 596.92,88.92 596.92,134.92 ; 596.92,90 596.92,39.08 597,39 ; 596.92,139 596.92,199.92 597,200 1770,200 1770,434 1921,434 1921,714 1922,713 2181,713 2181,728 2181,767 2181,952 2131,952 ; 751,560 752,561 752,607.08 752,723 1094,723 1419,723 1805,1109 1901,1109 1901,1061 1960,1061 2073.08,1061 ; 1260.19,966.19 1585,1291 1854,1291 ; 1642,280 1642,493 1505,493 1505,620 ; 1645.77,278.44 432.08,278.44 432.08,557 798,557 1103.92,557 1103.92,620 1505,620 ; 2061,38 2061,89 2061,196 2061,433 2218,433 2218,647 2232,647 2341,647 2341,743 2341,1181 2131,1181 2131,874 2074,874 1900,874 1759,874 1755.23,870.23 1505,620 ; 2073,1061.08 2073,1244 2073,1291 2004,1291 1854,1291 ; 2341,736 2417,736 2417,647 2493,647 2493,750 2493,882.08 2440.08,882.08 2440.08,1021.08 2519,1021.08 ; 1854,1291 1854,1417 2085,1417 2182.84,1417 2436.92,1417 2436.92,1259.92 2436.92,1207.08 2520,1207.08 2520,1075 2520,1022.08 ; 2519,1021.08 2520,1022.08 ; 2519,1021.08 2520,1022.08
  text "PWR03" at 1171,2273.45 h60

## Silkscreen, mask and mechanical layers (free items; w line width, h text height)
Top Overlay:
  lines w5: 2109,401 2109,309 2110,308 2101,299 1939,299 1939,421 1942,424 2105,424 2109,420 2109,401 ; 2109,401 2205,401 ; 2205,401 2208,398 2452,398 2452,585 2205,585 2205,401
  lines w8: 789,717 989,717 1207,717 ; 789,820 989,820 1207,820 ; 789,919 789,1125 989,1125 ; 789,982 989,982 ; 789,1048 989,1048 ; 933,617 933,555 935,553 1034,553 ; 988,1024.5 1206.5,1024.5 ; 988,1224.5 1206.5,1224.5 1208,1226 ; 989,619 1207,619 ; 1034,396 1105,396 1107,398 ; 1107,323 1107,282 1034,282 1034,553 ; 1107,424 1207,424 ; 1107,524 1206,524 1207,525 ; 1107,555 1105,553 1034,553 ; 1107,1323 988,1323 ; 1161,1875 1161,1932 1559,1932 1559,1877 1561,1875 ; 1207,1125 989,1125 ; 1426,425 1426,487 1624,487 1626,485 1626,425 ; 1664,1875 1664,1930 2164,1930 2164,1875 ; 1759,534 1956.5,534 1958,535.5 ; 1761,1775 1761,1930 ; 1859,436 1860,435 1965,435 1965,636 1859,636 ; 1861,1776 1861,1930 ; 1961,1775 1961,1930 ; 2061,1775 2061,1930 ; 2231,1875 2231,1930 2531,1930 2531,1875 ; 2328,1775 2328,1930 ; 2428,1775 2428,1930 ; 2598,1875 2598,1930 2898,1930 2898,1875 ; 2695,1775 2695,1930 ; 2795,1775 2795,1930 ; 2969,1875 2969,1930 3669,1930 3669,1875 ; 3066,1775 3066,1930 ; 3166,1775 3166,1930 ; 3190,203 3192,201 3490,201 ; 3190,304 3190,432 3490,432 3490,304 ; 3190,364 3489,364 3490,363 ; 3266,1775 3266,1930 ; 3290,104 3290,432 ; 3366,1775 3366,1930 ; 3390,104 3390,432 ; 3466,1775 3466,1930 ; 3566,1775 3566,1930 ; 3570,301 3791,301 ; 3570,401 3791,401 ; 3669,103 3736,103 3736,200 3738,202 ; 3669,503 3792,503 3792,201 3670,201 ; 988,1323 988,1126 989,1125 ; 988,1323 988,1323 ; 989,1125 989,919 1207,919 ; 1207,919 1207,919 ; 3490,304 3490,304 ; 3569,201 3569,201 ; 3569,201 3670,201 ; 3670,201 3670,201
  text "MO" at 1785,1886 h35
  text "CS" at 1882,1886 h35
  text "CLK" at 1964,1886 h35
  text "MI" at 2092,1886 h35
  text "GND" at 1315,1885 h35
  text "GND" at 1672,1885 h30
  text "RX" at 2352,1885 h35
  text "TX" at 2452,1885 h35
  text "SDA" at 2698,1885 h35
  text "SCL" at 2800,1885 h35
  text "GND" at 2239,1884 h30
  text "GND" at 2606,1884 h30
  text "GND" at 2977,1884 h30
  text "B5" at 3094,1884 h30
  text "B4" at 3193.8,1884 h30
  text "B3" at 3293.6,1884 h30
  text "B2" at 3393.4,1884 h30
  text "B1" at 3493.2,1884 h30
  text "B0" at 3593,1884 h30
  text "GND" at 1005,1251 h35
  text "D0P" at 1005,1151 h35
  text "3V3" at 846,1064 h35
  text "D0N" at 1005,1051 h35
  text "1V8" at 846,998 h35
  text "GND" at 1005,951 h35
  text "1V2" at 846,932 h35
  text "D1P" at 1010.83,851 h35
  text "D1N" at 1010.83,751 h35
  text "GND" at 1005,651 h35
  text "CLKP" at 968,572 h35
  text "RTC" at 1865,568 h35
  text "GND" at 1865,466 h35
  text "5V" at 1497,438 h35
  text "E20" at 3681,436 h35
  text "CLKN" at 1089,407 h35 r90
  text "G4" at 3208,379 h35
  text "G2" at 3306,379 h35
  text "G0" at 3404,379 h35
  text "E21" at 3681,334 h35
  text "G5" at 3208,318 h35
  text "G3" at 3306,318 h35
  text "G1" at 3404,318 h35
  text "GND" at 1089,289 h35 r90
  text "E22" at 3681,232 h35
  text "G" at 3681,130 h35
Bottom Overlay:
  lines w5: 2488.38,642 2488.38,617 2444,617 2380,617 2380,687 1847,687 1847,796 1847,1115 1770,1115 1770,1313 1944,1313 1944,1444 2172,1444 2172,1327 2517,1327 ; 2587.62,616 2589.62,614 2611,614 2611,749 2611,937 2517,937 2517,1327 ; 2517,1327 2583,1327 2631,1375 2726,1375 ; 2726,1375 2868,1375 2868,1334 3099,1334 3099,1009 3205,1009 3205,818 3057,818 3057,882 2688,882 2688,1150 2615,1150 2615,1304 2726,1304 2726,1375
Top Solder:
  text "SUDA-V3S" at 3090,1348 h45
Mechanical 1:
  drawing of 448 lines, arcs and shapes, not listed
  text "Layer" at 5476.25,2264.46 h60
  text "Name" at 5886.17,2264.46 h60
  text "Material" at 6815.91,2264.46 h60
  text "Thickness" at 7675.68,2264.46 h60
  text "Constant" at 8325.51,2264.46 h60
  text "Board Layer Stack" at 8895.37,2264.46 h60
  text "1" at 5476.25,2144.46 h60
  text "Top Overlay" at 5886.17,2144.46 h60
  text "2" at 5476.25,2024.46 h60
  text "Top Solder" at 5886.17,2024.46 h60
  text "Solder Resist" at 6815.91,2024.46 h60
  text "0.40mil" at 7675.68,2024.46 h60
  text "3.5" at 8325.51,2024.46 h60
  text "3" at 5476.25,1904.46 h60
  text "TOP" at 5886.17,1904.46 h60
  text "Copper" at 6815.91,1904.46 h60
  text "1.40mil" at 7675.68,1904.46 h60
  text "4" at 5476.25,1784.46 h60
  text "PP1/2" at 5886.17,1784.46 h60
  text "3313" at 6815.91,1784.46 h60
  text "3.90mil" at 7675.68,1784.46 h60
  text "3.85" at 8325.51,1784.46 h60
  text "5" at 5476.25,1664.46 h60
  text "GND02" at 5886.17,1664.46 h60
  text "Copper" at 6815.91,1664.46 h60
  text "1.40mil" at 7675.68,1664.46 h60
  text "6" at 5476.25,1544.46 h60
  text "Core2/3" at 5886.17,1544.46 h60
  text "S1141" at 6815.91,1544.46 h60
  text "48.00mil" at 7675.68,1544.46 h60
  text "4.2" at 8325.51,1544.46 h60
  text "7" at 5476.25,1424.46 h60
  text "PWR03" at 5886.17,1424.46 h60
  text "Copper" at 6815.91,1424.46 h60
  text "1.40mil" at 7675.68,1424.46 h60
  text "8" at 5476.25,1304.46 h60
  text "PP3/4" at 5886.17,1304.46 h60
  text "3313" at 6815.91,1304.46 h60
  text "3.90mil" at 7675.68,1304.46 h60
  text "3.85" at 8325.51,1304.46 h60
  text "9" at 5476.25,1184.46 h60
  text "BOT" at 5886.17,1184.46 h60
  text "Copper" at 6815.91,1184.46 h60
  text "1.40mil" at 7675.68,1184.46 h60
  text "10" at 5476.25,1064.46 h60
  text "Bottom Solder" at 5886.17,1064.46 h60
  text "Solder Resist" at 6815.91,1064.46 h60
  text "0.40mil" at 7675.68,1064.46 h60
  text "3.5" at 8325.51,1064.46 h60
  text "11" at 5476.25,944.46 h60
  text "Bottom Overlay" at 5886.17,944.46 h60

## Dimensions
0,0 to 0,1968 on Mechanical 1
0,0 to 3937,0 on Mechanical 1